# Altium PCB CableNodeRevG.PcbDoc (part 3 of 3)
Units mil, origin at the board's own origin, x right, y up, seen from the top; angles counter-clockwise.
Board outline 3393.33 x 4682.75 mil, 4 copper layers (Top Layer, Internal Plane 1, Internal Plane 2, Bottom Layer); 163 components, 86 nets, 408 pads, 182 vias.
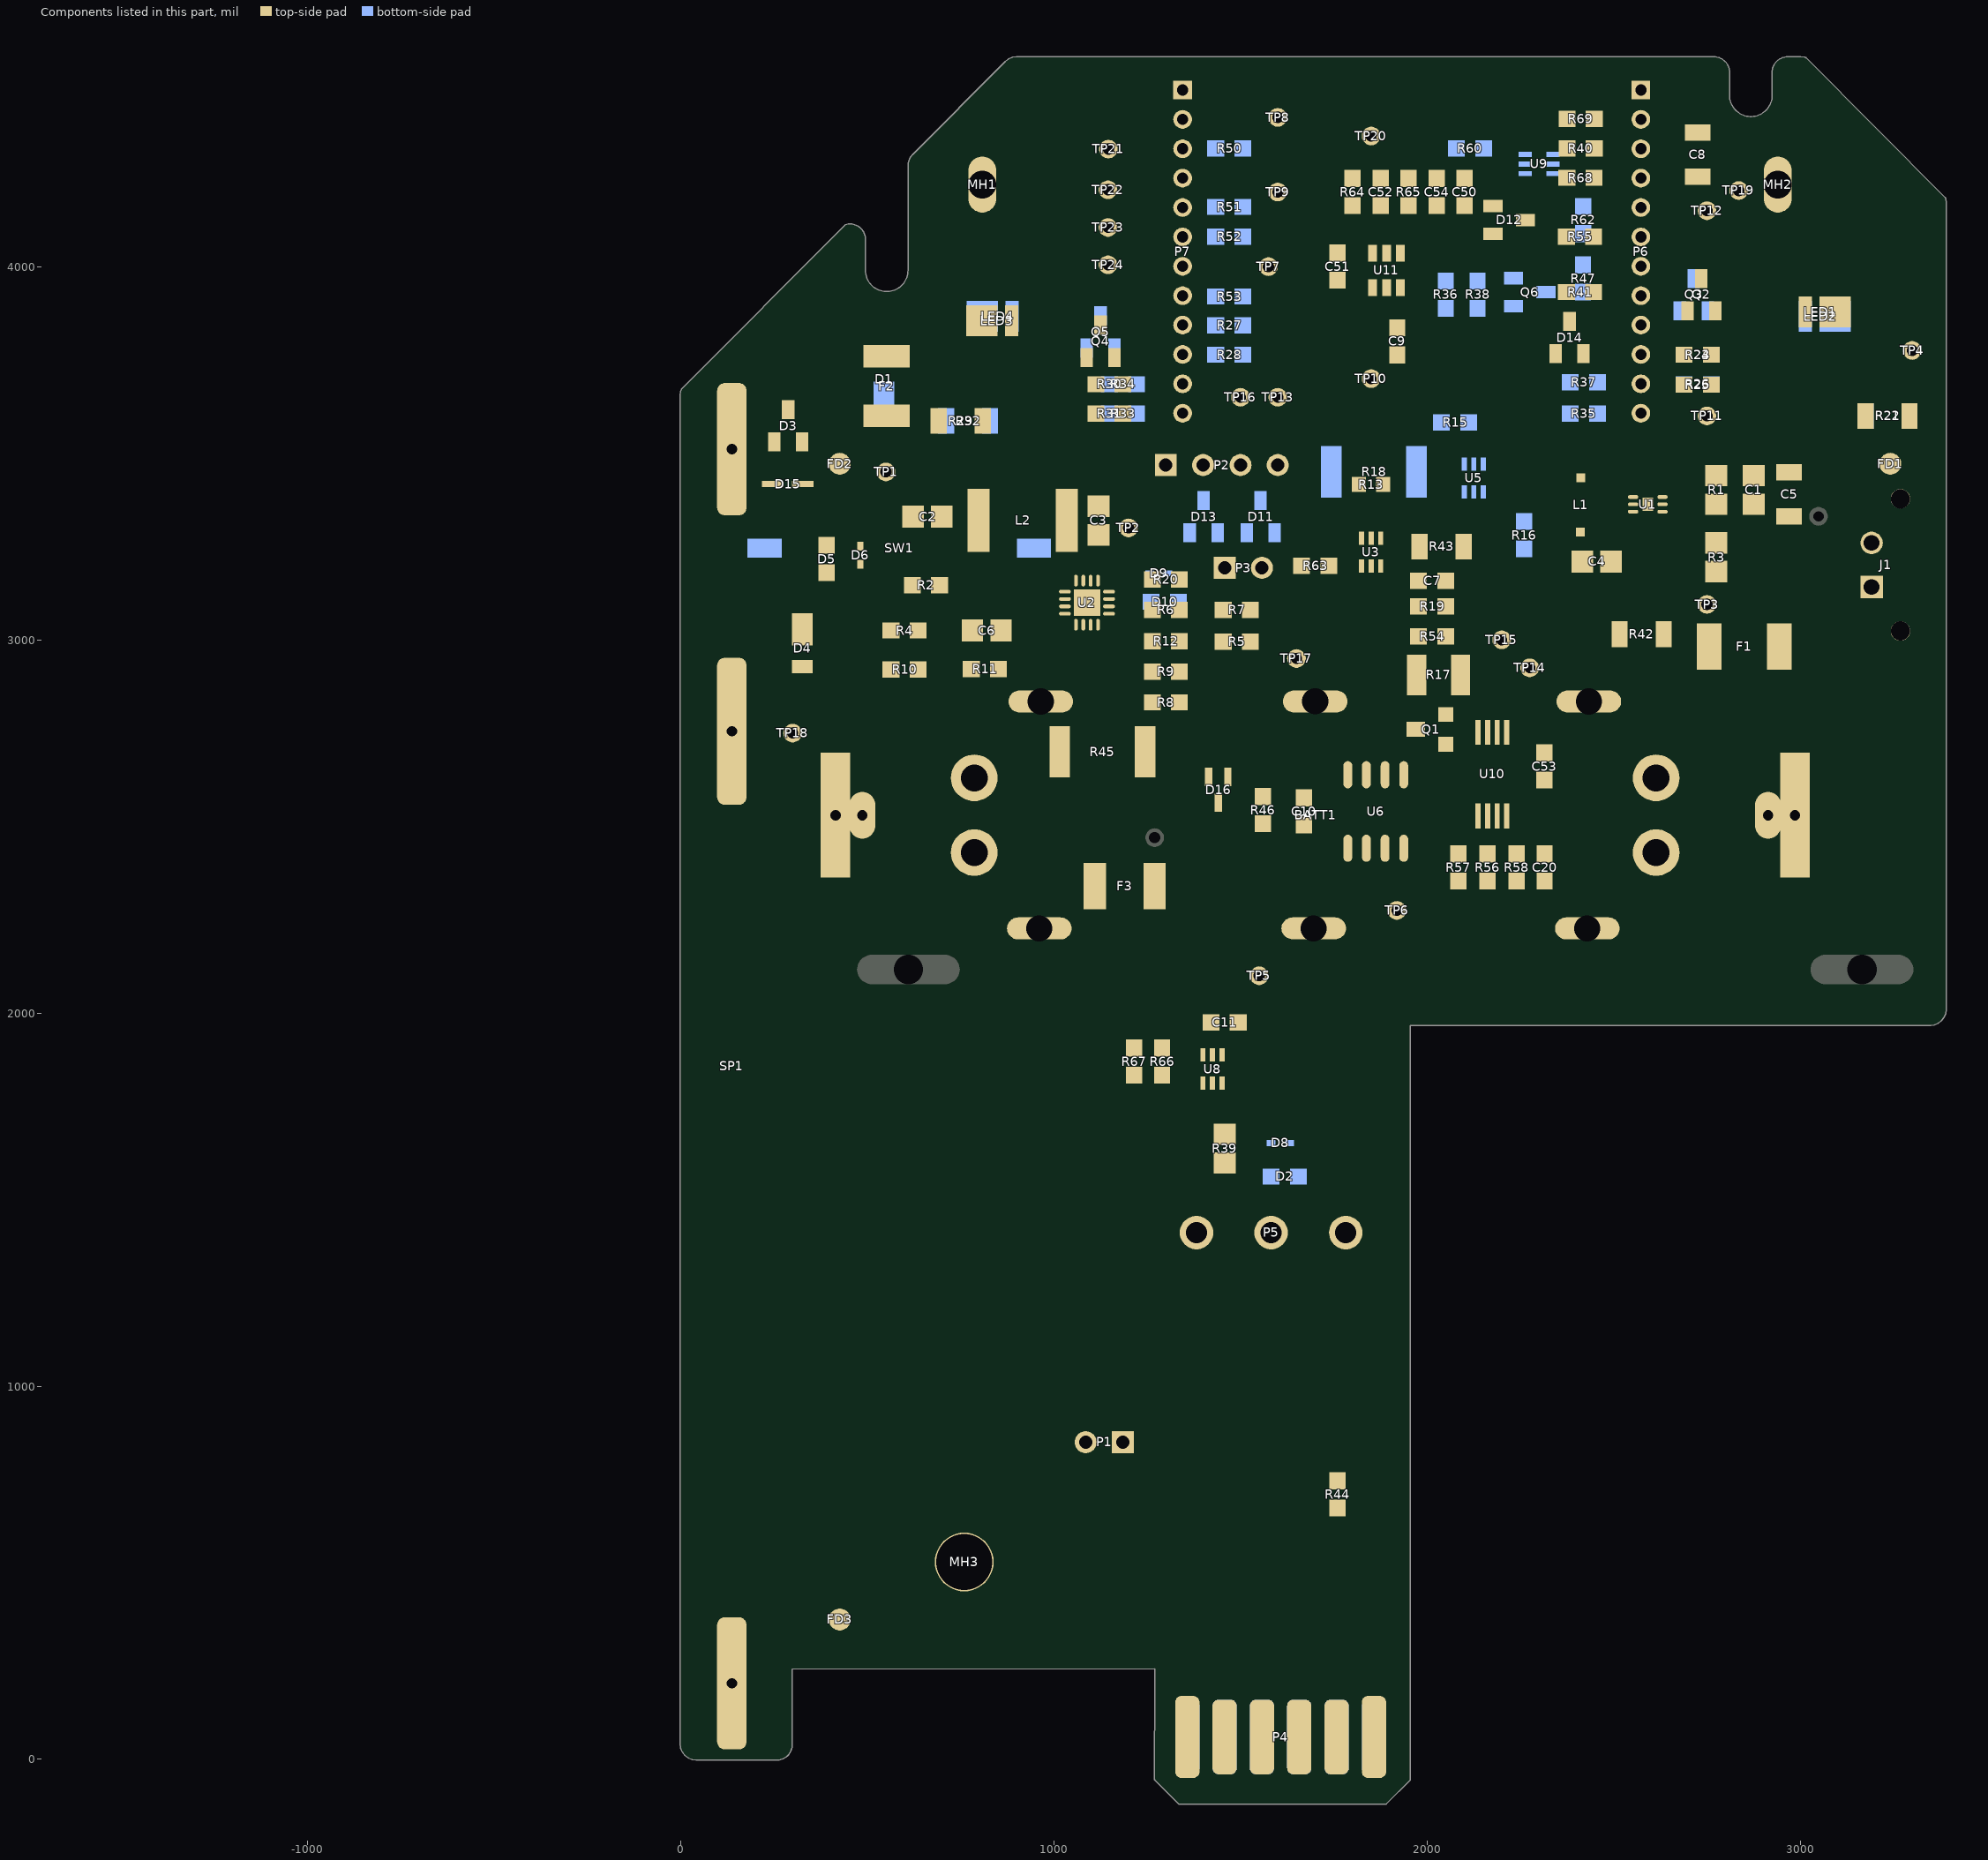
[diagram p5: the components of this part, seen from the top]

## Polygon pours and split planes (outlines as drawn)
no net on Bottom Overlay "BottomKeepOutRegion" (hatched 90Degree grid 20 track 4): 200.17,3658.88 200.17,3854.88 200.06,3854.88 463.53,4119.67 cw(c483.86,4099.45) 512.53,4099.45 512.17,3998.88 ccw(c562.17,3998.88) 562.17,3948.88 ccw(c562.17,3997.17) 596.31,3963.03 603.17,3969.88 603.17,3940.88 602.52,3940.33
no net on Bottom Overlay "BottomKeepOutRegion" (hatched 90Degree grid 20 track 4): 2825.19,4391.66 2825.19,4419.66 2830.04,4413.81 ccw(c2859.38,4443.15) 2859.38,4401.66 2865.4,4401.66 ccw(c2865.4,4449.46) 2899.19,4415.66 ccw(c2870.22,4444.63) 2911.19,4444.63 2911.19,4515.35 cw(c2938.51,4515.35) 2919.19,4534.66 cw(c2940.92,4512.93) 2940.92,4543.66 3000.19,4543.66 cw(c3000.19,4519.52) 3017.27,4536.59 3365,4188.85 cw(c3342.81,4166.66) 3374.19,4166.66 3374.19,4007.66
GND on Bottom Layer "Bottom Layer-GND" (solid, remove dead copper, pour order 8): 40,275 1911.19,275 1921.19,285 1921.19,2030 3350,2030 3350,4129.19 3349.19,4128.39 3349.19,4100 3349.19,4121.66 3349.2,4121.67 3011.19,4459.68 2998.19,4459.68 2978.07,4459.68 2975,4462.75 2975,4350 2787.27,4350 2787.27,4450 825,4450 641.66,4266.66 641.66,4261.9 641.66,3903.95 640.19,3902.48 471.89,3902.48 471.89,3996.69 476.19,4001 472.83,4004.37 437.71,4004.37 372.99,4004.37 30,3661.38 40,3651.38 40,275
GND on Top Layer "Top Layer-GND" (solid, remove dead copper, pour order 6): 30,275 1925,275 1925,1997.86 1921.19,2001.66 1922.86,2000 3350,2000 3350,4174.19 3349.19,4175 3025,4499.19 3025,4500 2975,4500 2975,4350 2787.27,4350 2787.27,4450 825,4450 820.52,4450 632.42,4261.9 636.42,4257.9 636.42,3902.48 475,3902.48 471.19,3906.29 471.19,4025 400,4025 30,3655 30,3628.33 30,275
5V on Internal Plane 2 (split plane): 518 vertices, not listed, extent 18.08,18.05 3370.86,4515.54
no net on Internal Plane 2 (split plane): 635.42,4285.78 635.43,4285.8
VBAT_POS on Internal Plane 2 (split plane): 3370.85,2692.42 3366.64,2695.4 3361.73,2698.12 3356.54,2700.27 3351.14,2701.82 3345.61,2702.76 3340,2703.08 3334.39,2702.76 3328.86,2701.82 3323.46,2700.27 3318.27,2698.12 3313.36,2695.4 3308.78,2692.15 3304.59,2688.41 3300.85,2684.22 3297.6,2679.64 3294.88,2674.73 3292.73,2669.54 3291.18,2664.14 3290.24,2658.61 3289.92,2653 3289.92,2380 3290.24,2374.39 3291.18,2368.86 3292.73,2363.46 3294.88,2358.27 3297.6,2353.36 3300.85,2348.78 3304.59,2344.59 3308.78,2340.85 3313.36,2337.6 3318.27,2334.88 3323.46,2332.73 3328.86,2331.18 3334.39,2330.24 3340,2329.92 3345.61,2330.24 3351.14,2331.18 3356.54,2332.73 3361.73,2334.88 3366.64,2337.6 3370.85,2340.58 3370.85,2026.23 3369.95,2027.69 3366.89,2031.28 3363.3,2034.35 3359.27,2036.81 3354.91,2038.62 3350.31,2039.72 3345.61,2040.09 1956.37,2040.09 1954.42,2041.8 1950.06,2044.72 1945.36,2047.03 1940.39,2048.72 1935.25,2049.74 1930.02,2050.09 1924.78,2049.74 1919.64,2048.72 1914.68,2047.03 1909.97,2044.72 1905.61,2041.8 1901.67,2038.34 1898.21,2034.4 1895.3,2030.04 1892.98,2025.34 1891.3,2020.38 1891.24,2020.09 1754.02,2020.09 1570.12,2203.98 1568.04,2205.59 1565.6,2206.59 1562.99,2206.94 1248.27,2206.94 1214.81,2240.4 1214.81,2523.38 1248.27,2556.84 1421.02,2556.84 1642.47,2335.39 1644.56,2333.78 1645.99,2333.19 1647,2332.78 1649.61,2332.43 1944.64,2332.43 1984.99,2292.08 1987.08,2290.48 1987.8,2290.18 1989.52,2289.47 1992.13,2289.13 2074.8,2289.13 2077.41,2289.47 2079.85,2290.48 2081.94,2292.08 2980.56,3190.7 3370.85,3190.7
VBAT_SWITCHED on Internal Plane 2 (split plane): 2275.49,4270.25 2277.58,4268.65 2280.01,4267.64 2282.62,4267.29 2630.5,4267.29 2643.46,4254.34 2643.46,4159.73 2613.82,4130.09 2474.33,4130.09 2471.72,4129.74 2469.29,4128.74 2467.2,4127.13 2414.13,4074.06 2412.52,4071.97 2411.52,4069.54 2411.17,4066.93 2411.17,3483.96 2411.52,3481.35 2412.52,3478.92 2414.13,3476.83 2446.61,3444.35 2446.61,3173.47 2421.02,3147.88 2039.61,3147.88 1963,3224.5 1925.09,3262.41 1925.09,3478.39 1963,3516.3 1964.6,3518.39 1965.61,3520.82 1965.95,3523.43 1965.95,3626.81 1965.61,3629.42 1965.1,3630.64 1964.6,3631.86 1963,3633.94 1939.81,3657.13 1937.72,3658.74 1935.29,3659.74 1932.68,3660.09 1801.33,3660.09 1798.72,3659.74 1796.28,3658.74 1794.19,3657.13 1768.46,3631.4 1766.86,3629.31 1765.85,3626.87 1765.5,3624.26 1765.5,3210.87 1682.56,3210.87 1610.71,3282.72 1608.62,3284.33 1606.19,3285.33 1603.58,3285.68 1374.26,3285.68 1258.12,3401.82 1258.12,3507.63 1271.89,3521.41 1382.74,3521.41 1385.35,3521.75 1387.78,3522.76 1389.87,3524.36 1412.01,3546.51 1413.62,3548.6 1413.91,3549.31 1414.62,3551.03 1414.97,3553.64 1414.97,4223.54 1437.25,4245.82 1641.73,4245.82 1644.34,4246.16 1646.78,4247.17 1648.86,4248.77 1673.47,4273.38 2137.8,4273.38 2140.41,4273.72 2142.84,4274.73 2144.93,4276.33 2169.53,4300.94 2244.8,4300.94
VBAT_FUSED on Internal Plane 2 (split plane): 1945.78,3622.63 1945.78,3527.61 1907.87,3489.7 1906.27,3487.61 1905.26,3485.17 1904.91,3482.56 1904.91,3258.23 1905.26,3255.62 1906.27,3253.19 1907.87,3251.1 1948.73,3210.23 2028.3,3130.66 2030.39,3129.06 2032.82,3128.05 2035.43,3127.71 2425.2,3127.71 2427.81,3128.05 2430.24,3129.06 2432.33,3130.66 2460.87,3159.21 2791.1,3159.21 2855.81,3094.49 2618.11,2856.78 2416.58,3058.31 2414.49,3059.92 2412.06,3060.92 2409.45,3061.27 1860.19,3061.27 1785.68,3135.78 1785.68,3620.09 1805.5,3639.91 1928.5,3639.91
GND on Internal Plane 1 (split plane): 457 vertices, not listed, extent 18.08,18.05 3370.86,4521.22
GND on Internal Plane 1 (split plane): 460.27,4093.47 463.37,4092.18 466.22,4090.43 468.77,4088.26 470.95,4085.71 472.7,4082.85 473.98,4079.76 474.76,4076.5 475,4073.51 474.96,4073.16 474.96,4072.99 474.55,4073.6 472.9,4074.71 470.95,4075.1 469.63,4075.1 468.62,4079.3 466.81,4083.66 464.35,4087.69 461.28,4091.28 458.11,4093.98
GND on Internal Plane 1 (split plane): 1881.92,-100.02 1343.28,-99.86 1341.85,-98.43 1883.51,-98.43
GND on Internal Plane 1 (split plane): 635.42,4285.78 635.43,4285.8

## Keep-outs
Top Layer:
  lines w4: 300,2957 300,2973 ; 352,2957 352,2973
Keep-Out Layer:
  lines w4: 30,2545 77.01,2545 ; 30,2963 75,2963 ; 30,3302 ccw(c30.34,3302) 30.34,3301.66 86,3301.66 ; 30,3586.64 30,36.47 30,26.66 ccw(c40,26.66) 40,16.66 70,16.66 ; 40,3606.66 61.67,3628.33 ; 158,3724.65 335.83,3902.48 437.71,4004.37 cw(c451.89,3990.26) 471.89,3990.26 ccw(c551.89,3990.26) 631.89,3990.26 ; 632.42,3990.26 632.42,4261.9 cw(c658.97,4261.9) 640.19,4280.67 891.19,4531.67 893.86,4534.34 cw(c921.19,4507) 921.19,4545.66 ; 926.19,4545.66 921.19,4545.66 ; 1291.19,220 1291.19,213.81 ccw(c1305,213.81) 1305,200 1325,200 ; 1406,185.86 ccw(c1406.19,185.86) 1406.19,185.66 ; 1501.19,4560.66 1501.19,4555.66 cw(c1491.19,4555.66) 1491.19,4545.66 921.19,4545.66 ; 1511,186.86 ccw(c1511.19,186.86) 1511.19,186.66 ; 1891.19,200.22 1912.19,200.22 ccw(c1912.19,209.22) 1921.19,209.22 ; 1912.19,-106.34 1912.19,162.66 1912.19,186.66 ccw(c1912.19,195.66) 1921.19,195.66 1921.19,2001.66 cw(c1943.19,2001.66) 1943.19,2023.66 1965.19,2023.66 3346.19,2023.66 ccw(c3346.19,2036.66) 3359.19,2036.66 3359.19,2037.66 3359.19,4082.67 3359.19,4097.52 ccw(c3325.05,4097.52) 3349.19,4121.66 ; 1921.19,204.22 1921.19,205 ; 2511.19,4559.66 2511.19,4541.66 ccw(c2524.18,4541.66) 2524.18,4528.67 2526.19,4528.67 2777.19,4528.67 cw(c2777.19,4518.6) 2787.27,4518.6 2787.27,4459.68 ccw(c2867.27,4459.68) 2947.27,4459.68 2947.27,4462.75 cw(c2957.19,4462.75) 2957.19,4472.67 2998.19,4472.67 3004.19,4466.67 ; 3003.19,4467.67 3349.2,4121.67
  lines w5: 200,16.66 267.13,16.66 ccw(c267.13,30.72) 281.19,30.72 281.19,306.66 cw(c291.19,306.66) 291.19,316.66 1276.19,316.66 cw(c1276.19,301.66) 1291.19,301.66 1291.19,196.66 ccw(c1301.19,196.66) 1301.19,186.66 1308.19,186.66 1308.19,172.66 1308.19,94.91 1308.19,-30.59 1308.19,-107.34 ; 1431.19,185.66 1406.19,185.66 1406.19,-78.34 1801.19,-78.34 1806.19,-78.34 1806.19,198.16 ; 1481.19,186.66 1531.19,186.66 ; 1511.19,-78.34 1511.19,186.66 ; 1583.19,186.66 1630.19,186.66 ; 1606.19,-78.34 1606.19,186.66 ; 1683.19,186.66 1736.95,186.66 ; 1706.19,-78.34 1706.19,186.66
  lines w10: 1397.19,-95.34 1816.19,-95.34 ; 1911.19,-107.34 1912.19,-106.34
  lines w15: 1308.19,-107.34 1911.19,-107.34
  lines w100: 40,460 40,730 ; 50,2200 50,2480 ; 1921.19,320 1921.19,500 ; 3340,2380 3340,2653 ; 3340,3890 3340,4163
  text "Keepout Layer" at 3955,5425 h150

## Other copper
Top Layer:
  region net NetL1_B: 2543.28,3377.92 2495.89,3383.01 2495.91,3450.18 2497.46,3449.54 2564.38,3386.32 2565.38,3384.82 2565.98,3383.01
  region net GND: 651.67,640 859.92,640 860,330 651.57,329.72
  region net GND: 935.51,3384.25 934.99,3450 990,3450 990,3185 1011.01,3163.99 1011.46,3163.99 1011.46,3163.1 995,3146.64 982.95,3158.68 982.95,3170 934.99,3217.96 934.99,3383.72
  region net 5V: 2742.08,3468.21 2752,3468.21 2752,3411 2751.69,3411.32 2742.08,3411.32
  region net GND: 2543.08,3296.44 2667.64,3296.44 2667.64,3288.51 2700,3288.51 2700,3100 2613.69,3100 2340,3100.56 2340.02,3162.09 2613.69,3162.09 2613.69,3255.51 2543.08,3255.51
  region net GND: 2531.87,3567.46 2710,3567 2710,3482 2702.45,3481.94 2640.94,3481.94 2640.94,3434.31 2531.87,3434.31 2531.87,3471.66 2425,3471.66 2425,3567
  region net VBAT_SWITCHED: 2543.08,3348.32 2496.33,3343.43 2496.14,3343.62 2496.14,3276.31 2499.17,3276.31 2564.58,3340.12
  region net VIN_SOLAR: 1017,3105 672,3105 672.67,3450 918,3449 917.95,3405 917.95,3220 967.95,3165 967.95,3135 982.95,3120 992.67,3112.65 1017.42,3113.4
  region net NetL2_B: 1064.08,3245.01 1064.08,3165.62 1059.15,3158.57 1059.15,3145 1055,3145 1055,3178 1004.98,3190.32 1005.08,3245.01
  region net VSTOR: 1078.83,3158.57 1073.98,3169.42 1073.98,3238.12 1090.18,3252.71 1149.18,3252.71 1083.48,3187.01 1083.68,3169.42
  region net NetF3_2: 1176.48,3230 1140,3230 1094,3184 1094,3169 1103,3169 1103,3179 1109.48,3185.01 1130,3190 1176.48,3190
  region net 5V: 2618.78,3386.51 2641.18,3378.12 2742.08,3411.32 2743.2,3439.05 2742.08,3468.21
  region net GND: 1135.38,3180 1215,3180 1215,3145 1135,3145
  region net GND: 1152,3150 1152,3131.33 1162.4,3131.33 1162.4,3150
  region net GND: 1120,3174 1139.83,3174 1140,3162 1118,3162 1118.2,3158.57 1118.2,3172.96 1119,3173
  region net GND: 1059.15,3040.46 1064.08,3033.62 1064.08,2985 1015,2940 915,2940 915,3005 954.98,3045 1034.59,3045 1035,3018.62 1053,3018.62 1052.96,3046.14 1053,3065 1064,3065 1064.08,3047
  text "Top Copper Layer" at 3960,6109 h150
Bottom Layer:
  region net GND: 650,330 860,330 860,640 650,640
  text "Bottom Copper Layer" at 5010,5720 h150
Internal Plane 1 (plane layer: these items are gaps in the copper):
  region: 1276.19,195.66 1944.88,195.66 1944.88,-53.51 1942.55,-51.18 1279.53,-51.18
  lines w10: 440,4070 470.95,4070 ; 2793.31,4540.52 2795,4542.21 ; 3021.84,4535 3025,4538.16
  lines w40: 875,4540.52 2793.31,4540.52 ; 2938.84,4535 3021.84,4535
  lines w60: 19.22,3649.22 440,4070 ; 294.94,274.75 1275.77,274.75 ; 1308.19,-68.34 1920,-68.34 ; 1947.38,2005.31 3356.4,2007.13
  lines w80: 1930.02,1852.31 1930.02,2001.66
  lines w100: 40,460 40,730 ; 50,2200 50,2475 ; 1451.5,4520.54 2451.5,4520.54 ; 1920,320 1920,500 ; 2985.69,4504.4 3340,4150.09 3340,3890 ; 3340,2380 3340,2653
  text "Internal Plane 1 (GND)" at 3960,5980 h150
Internal Plane 2 (plane layer: these items are gaps in the copper):
  region: 1271.65,192.91 1952.76,192.91 1956.69,188.98 1952.76,185.04 1952.76,-66.93 1275.59,-66.93 1271.65,-70.87
  lines w10: 459.02,4085.71 470.95,4085.71 ; 2793.91,4535.64 2799.55,4530 ; 2970,4506.61 2970,4513.81 ; 3022.14,4530.58 3025,4533.44
  lines w20: 1775.59,3200.79 1678.38,3200.79 1603.58,3275.59 1370.08,3275.59 1248.03,3397.64 1248.03,3511.81 1267.72,3531.5 1382.74,3531.5 1404.88,3553.64 1404.88,4227.72 1433.07,4255.91 1641.73,4255.91 1669.29,4283.46 2137.8,4283.46 2165.35,4311.02 2248.98,4311.02 2282.62,4277.38 2634.68,4277.38 2653.54,4258.52 2653.54,4155.55 2617.99,4120 2474.33,4120 2421.26,4066.93 2421.26,3483.96 2456.69,3448.53 2456.69,3169.29 ; 1930.02,2010 1749.84,2010 1562.99,2196.85 1244.09,2196.85 1204.72,2236.22 1204.72,2527.56 1244.09,2566.93 1425.2,2566.93 1649.61,2342.52 1948.82,2342.52 1992.13,2299.21 2074.8,2299.21 2976.38,3200.79 3381.89,3200.79 ; 2618.11,2842.52 2409.45,3051.18 1856.01,3051.18 1775.59,3131.6 1775.59,3624.26 1801.33,3650 1932.68,3650 1955.86,3626.81 1955.86,3523.43 1915,3482.56 1915,3258.23 1955.86,3217.36 2035.43,3137.8 2425.2,3137.8 2456.69,3169.29 ; 2870.08,3094.49 2795.28,3169.29 2456.69,3169.29
  lines w40: 860,4535.64 2793.91,4535.64 ; 2946.98,4530.58 3022.14,4530.58
  lines w60: 18.34,3645.04 459.02,4085.71 ; 287.66,280 1281.12,280 ; 1310,-80 1912.19,-80 ; 1930.02,2010 3345.61,2010
  lines w80: 1930.02,1860 1930.02,2010
  lines w100: 40,460 40,730 ; 50,2200 50,2480 ; 1450,4524.14 2450,4524.14 ; 1920,320 1920,500 ; 2970,4506.61 3294.88,4181.73 ; 3340,2380 3340,2653 ; 3340,3890 3340,4160
  text "Internal Plane 2 (PWR)" at 3960,5855 h150

## Silkscreen, mask and mechanical layers (free items; w line width, h text height)
Top Overlay:
  region: 1395,539 1907.1,539.17 1907.1,340.83 1296.9,339.17 1125,339 1125,539 1146,539 1296.9,539.17 1346,539
  lines w4: 188.59,691.98 240.44,2176.86
  lines w5: 86,176.86 27.87,176.86 24.81,1.66 124.6,1.66 ; 164.48,1.66 302.28,1.66 347.68,1301.78 366.55,1842.21 969.14,1842.21 963.3,2176.86 240.44,2176.86 ; 198.19,3654.79 198.19,3780.31 472.36,4055.84 ; 471.73,3990.15 ccw(c551.73,3990.15) 562.18,3910.84 ; 472.09,3990.15 472.35,4060.82 ccw(c443.68,4060.82) 423.35,4081.04 198.19,3854.76 198.19,3655.79 562.19,3910.66 ; 2826.3,4393.66 3375.3,4009.66 3375.3,4168.66 ccw(c3343.92,4168.66) 3366.11,4190.85 3018.38,4538.59 ccw(c3001.3,4521.52) 3001.3,4545.66 ; 2847.11,4387.58 ccw(c2871.84,4463.66) 2951.84,4463.66 ; 2951.95,4463.66 2951.95,4521.25 cw(c2976.95,4521.25) 2976.95,4546.25 ; 221.21,1960.32 970.96,1960.32 970.96,2176.85 221.21,2176.85 221.21,1960.32
  lines w7: 2292.64,4180 2292.64,4170.36 2310,4153 2310,4090 2320,4080
  lines w10: 2320,4000.98 2320,4024.21 2330,4034.21
  text "Top Silkscreen Layer" at 3960,6249.43 h150
  text "V" at 1946,4500 h40
  text "+4.8V" at 103.56,3289.06 h100 r270
  text "GND" at 1610,3282 h40 r90
  text "PIN" at 1349,3281 h40 r90
  text "TXD" at 1545,3280.28 h40 r90
  text "RXD" at 1418,3280 h40 r90
  text "+3.6V" at 103.56,2529.22 h100 r270
  text "+ + +" at 3260,2430 h100 r90
  text "- -" at 330,2385 h100 r90
  text "OPIsystems" at 353.68,925 h180
  text "Cable Node" at 540,810 h122
  text "REV G" at 350,675 h122
  text "GND" at 99.62,659.14 h100 r270
  text "GND" at 450,525 h60
Bottom Overlay:
  lines w8: 1077.52,3475 1099.52,3453 1099.52,3375.48 1150,3325
  lines w10: 481.69,2175.67 856.69,2175.67 ; 1530,3682 1558,3710 1590,3710
  text "Bottom Silkscreen Layer" at 5160,5580 h150
  text "+4.8V" at 320,3675 h100 r90
  text "+ + +" at 3260,2930 h100 r90
  text "+3.6V" at 174.42,2529.22 h100 r90
  text "LiFePO4 Battery" at 2212.99,2460 h175
  text "- -" at 310,2365 h100 r90
  text "18650" at 1531.19,2200.03 h100
  text "26650" at 1255.1,2071.4 h100
  text "5VDC IN" at 1446.19,976.66 h100 r90
  text "WHITE" at 1651.19,976.66 h100 r90
  text "BLACK" at 1856.19,976.66 h100 r90
  text "Jumper ON : STOP" at 980,870 h110
  text "Jumper OFF : RUN" at 980,770 h110
  text "GND" at 610.19,550 h60
  text "GND" at 99.62,430.8 h100 r270
Top Solder:
  region: 650,330 860,330 860,640 650,640
Bottom Solder:
  region: 650,330 860,330 860,640 650,640
Mechanical 1:
  lines w4: 0.26,3655.8 1.53,3665.49 3.44,3670.11 442.29,4110.85 ; 0.35,3582.51 492.84,4077.12 ; 0.36,3655.8 0,42.04 ccw(c42.25,42.04) 12.37,12.17 12.39,12.15 ccw(c41.7,41.46) 41.7,0.01 257.44,0 ccw(c257.47,39.37) 296.84,39.37 296.84,298.57 1272.04,300.44 1271.98,209.4 1272.1,207.55 1271.81,-53.92 1953.37,-54.12 ; 30,3570.97 30,3582.51 cw(c64.14,3582.51) 40,3606.66 ; 296.84,243.46 1272,245.33 ; 442.29,4110.85 cw(c453.67,4073.16) 493.04,4073.16 493.04,3990.26 ccw(c552.1,3990.26) 611.15,3990.26 611.15,4270.78 cw(c650.52,4270.78) 622.63,4298.57 871.31,4548.43 879.57,4554.96 889.76,4559.18 900.15,4560.4 2769.15,4560.26 cw(c2769.15,4520.89) 2808.52,4520.89 2808.52,4459.27 ccw(c2867.57,4459.27) 2926.63,4459.27 2926.63,4520.89 cw(c2966,4520.89) 2966,4560.26 3000.99,4560.26 ; 1271.77,-53.92 1335.79,-117.94 1889.4,-118.11 1953.38,-54.12 ; 1953.06,1968.66 3349.8,1968.66 3357.99,1969.74 3368.18,1973.96 3376.93,1980.67 3383.64,1989.42 3387.86,1999.61 3388.94,2007.8 ; 2939.04,4549.58 3388.94,4097.08 ; 3000.99,4560.62 3012.31,4559.13 ; 3014.74,4558.01 3387,4183.59 ; 3387.8,4181.99 3389.3,4170.62 ; 3388.93,2007.8 3388.94,4170.57 ; 3388.99,2023.78 1953.05,2023.78 1953.37,-54.13
  text "Mechanical Layer: Board Outline" at 2078.74,162.66 h150
Mechanical 2:
  lines w4: 1270.46,-84.5 1270.46,-77.08 1270.46,-84.5
  lines w5: 10.3,3680.42 ccw(c45.44,3649.66) -1.16,3652.65 -1.16,39.06 ccw(c38.21,39.06) 38.21,-0.31 491.19,-0.31 ccw(c491.19,34.69) 526.19,34.69 526.19,203.39 cw(c566.19,203.39) 566.19,243.39 1139.27,243.39 1231.09,243.39 cw(c1231.09,204.02) 1270.46,204.02 1270.46,-84.5 1304.34,-118.39 1912.64,-118.39 1946.83,-84.19 1946.83,1928.82 cw(c1986.2,1928.82) 1986.2,1968.19 ; 11.39,3681.51 441.19,4113.46 cw(c469.1,4085.69) 508.47,4085.69 508.47,3985.3 ccw(c548.06,3985.3) 587.66,3985.3 587.66,4244.41 cw(c627.03,4244.41) 599.12,4272.18 868.75,4543.16 cw(c896.66,4515.39) 896.66,4554.76 2482.27,4554.76 2786.93,4554.76 cw(c2786.93,4515.39) 2826.3,4515.39 2826.3,4451.94 ccw(c2863.54,4451.94) 2900.77,4451.94 2900.77,4515.39 cw(c2940.14,4515.39) 2940.14,4554.76 2996.95,4554.76 cw(c2996.95,4515.39) 3024.86,4543.16 3370.93,4195.36 cw(c3343.02,4167.59) 3382.39,4167.59 3382.39,2007.56 ; 507.63,2078.54 507.63,2157.05 ; 547,2078.43 547,2157.17 ; 3039.13,2090.43 3039.13,2145.17 ; 3078.5,2078.43 3078.5,2157.17 ; 3343.02,1968.19 ccw(c3343.02,2007.56) 3382.39,2007.56 ; 3382.39,2058.74 3382.39,2007.56 ; 3700,482.64 5056.82,482.64 ; 4374.49,7458.48 4014.49,7458.48 ; 4374.49,7738.48 4014.49,7738.48 ; 4704.49,8168.48 3944.49,8168.48 3944.49,7845.96 3949.1,7845.05 3953.01,7842.44 3955.62,7838.53 3956.53,7833.92 3955.62,7829.31 3953.01,7825.41 3949.1,7822.79 3944.49,7821.88 3944.49,7805.81 3948.43,7806.59 3953.04,7805.68 3956.94,7803.07 3959.55,7799.16 3960.47,7794.55 3959.55,7789.94 3956.94,7786.04 3953.04,7783.42 3948.43,7782.51 3944.49,7783.29 3944.49,7764.12 3947.76,7766.31 3952.37,7767.22 3956.97,7766.31 3960.88,7763.7 3963.49,7759.79 3964.41,7755.18 3963.49,7750.57 3960.88,7746.67 3956.97,7744.05 3952.37,7743.14 3947.76,7744.05 3944.49,7746.24 3944.49,7727.07 3948.43,7727.85 3953.04,7726.94 3956.94,7724.33 3959.55,7720.42 3960.47,7715.81 3959.55,7711.2 3956.94,7707.3 3953.04,7704.68 3948.43,7703.77 3944.49,7704.55 3944.49,7688.48 3949.1,7687.57 3953.01,7684.96 3955.62,7681.05 3956.53,7676.44 3955.62,7671.83 3953.01,7667.92 3949.1,7665.31 3944.49,7664.4 3944.49,7288.48 4714.49,7288.48 ; 4014.49,7458.48 4204.49,7428.48 4204.49,7489.3 4014.49,7458.48 ; 4014.49,7738.48 4204.49,7769.3 4204.49,7708.48 4014.49,7738.48 ; 510.65,2078.43 cw(c510.65,2117.8) 510.65,2157.17 707.5,2157.17 cw(c707.5,2117.8) 707.5,2078.43 510.65,2078.43 ; 3067.43,2078.43 cw(c3067.43,2117.8) 3067.43,2157.17 3264.28,2157.17 cw(c3264.28,2117.8) 3264.28,2078.43 3067.43,2078.43
  lines w10: -790,3030 -113.05,2353.05 ; -790,4930 -790,1330 -140,680 ; 2031,420 3470,420 3680,630 3680,2520 ; 3480,2520 3680,2520 ; 3490,4000 3679,4000 ; 3680,3999 3680,2520
  text "IMPORTANT:" at 4000,8850 h150
  text "Please make sure that perferated edges of Mouse Bytes" at 4005,8665 h150
  text "are within the edge of the PCB - aka no jagged edges of" at 4005,8505 h150
  text "the byte can exist outside of the PCB edge." at 4010.69,8335 h150
  text "When panelizing this design please use Mouse Bites." at 4115,8035 h100
  text "This will place the ragged edge of the holes behind the edge of the PCB." at 4114.49,7914.4 h100
  text "Mouse Bite" at 4404.49,7711.2 h100
  text "Mechanical 2 Layer: Mouse Bites Panelization Details" at 3944.49,7108.27 h150
  text "Mechanical 2 Layer - Mouse Bytes Information Layer" at 3950,5285 h150
  text "Mouse Byte Plane Relief" at -1150,5020 h150
  text "Mouse Byte Plane Relief" at 3770,3926.12 h150
Mechanical 3:
  lines w5: 19.26,18.6 cw(c43.56,42.9) 9.19,42.9 9.19,3652.12 cw(c40.14,3652.12) 18.26,3674 448.56,4106.45 cw(c468.89,4086.23) 497.56,4086.23 ; 20.19,17.66 ccw(c37.09,34.56) 37.09,10.66 486.19,10.66 ; 481.19,10.66 ccw(c481.19,46.88) 506.8,21.27 ; 497.19,4092.66 497.19,3985.66 ccw(c547.19,3985.66) 597.19,3985.66 597.19,4246.66 cw(c623.75,4246.66) 604.97,4265.44 877.42,4537.88 cw(c896.19,4519.11) 896.19,4545.66 1513.78,4545.66 ; 508.54,23 ccw(c494.88,36.66) 514.19,36.66 514.19,201.66 cw(c569.72,201.66) 530.46,240.93 ; 531.19,241.66 cw(c562.58,210.28) 562.58,254.66 1232.19,254.66 1233.19,254.66 cw(c1233.19,206.66) 1281.19,206.66 ccw(c1301.19,206.66) 1301.19,186.66 1881.19,186.66 1923.19,186.66 ccw(c1923.19,201.66) 1938.19,201.66 1938.19,1932.48 cw(c1979.68,1932.48) 1950.35,1961.81 cw(c1986.19,1925.96) 1986.19,1976.66 3346.19,1976.66 ccw(c3346.19,2000.8) 3363.27,1983.73 ; 1516.19,4546.66 cw(c1525.85,4537) 1525.85,4550.66 2486.54,4550.66 cw(c2486.54,4537) 2496.19,4546.66 ccw(c2508.27,4558.73) 2508.27,4541.66 2789.71,4541.66 cw(c2789.71,4521.18) 2804.19,4535.66 2809.54,4530.32 cw(c2795.88,4516.66) 2815.19,4516.66 2815.19,4451.66 ccw(c2865.89,4451.66) 2830.04,4415.81 ccw(c2859.38,4445.15) 2859.38,4403.66 2865.4,4403.66 ccw(c2865.4,4451.46) 2899.19,4417.66 ccw(c2870.22,4446.63) 2911.19,4446.63 2911.19,4517.25 ; 2911.19,4517.35 cw(c2938.51,4517.35) 2919.19,4536.66 cw(c2940.92,4514.93) 2940.92,4545.66 3000.19,4545.66 cw(c3000.19,4521.52) 3017.27,4538.59 3365,4190.85 cw(c3342.81,4168.66) 3374.19,4168.66 ; 3366.19,1986.66 ccw(c3346.88,2005.98) 3374.19,2005.98 ; 3374.19,2006.66 3374.19,4168.66 ; 3374.19,4009.66 3374.19,4168.66
  lines w10: 9.19,3670 2189.19,5850 2190,5850 ; 1720,5860 3380,4200 ; 1930,4920 1959.19,4890.81 ; 1959.19,5620 1959.19,4890.81 ; 1960,4890 1959.19,4890.81 ; 1990,4920 1960.81,4890.81 1959.19,4890.81
  text "Center of Plastic Cone" at 1990,5740 h60 r90
  text "Plastic Cone Edge" at 2160,5490 h60 r315
  text "Mechanical 3 Layer: Plastic Cone and Radio Center Lineup" at 3955,4845 h150
  text "Plastic Cone Edge" at 1010,4760 h60 r45
Mechanical 4:
  lines w9.84: 189,4163.5 189,3976 ; 189,4678 189,3976 ; 3451.5,4495 3264,4495 ; 3764,4495 3264,4495 ; 5227.88,656.48 5930.52,656.48 ; 5227.88,1041.52 5790.38,1041.52 ; 5347.49,2207.04 cw(c5852.88,1041.52) 5852.88,2311.9 ; 5352.88,468.98 5352.88,656.48 ; 5352.88,1229.02 5352.88,1041.52 ; 5352.88,1541.52 5352.88,1041.52 ; 5375.63,2352.75 5971.65,715.21 ; 5665.38,156.48 5852.88,156.48 ; 5852.88,31.48 5852.88,979.02 ; 5852.88,1104.02 5852.88,2436.9 ; 6242.65,31.48 6242.65,979.02 ; 6430.15,156.48 6242.65,156.48 ; 6742.65,156.48 6242.65,156.48 ; 189,3976 220.25,4163.5 157.75,4163.5 189,3976 ; 3264,4495 3451.5,4463.75 3451.5,4526.25 3264,4495 ; 5352.88,656.48 5352.88,156.48 5852.88,156.48 ; 5352.88,656.48 5384.13,468.98 5321.63,468.98 5352.88,656.48 ; 5352.88,1041.52 5321.63,1229.02 5384.13,1229.02 5352.88,1041.52 ; 5852.88,156.48 5665.38,187.73 5665.38,125.23 5852.88,156.48 ; 5852.88,2311.9 5668.2,2266.91 5663.59,2329.24 5852.88,2311.9 ; 6242.65,156.48 6430.15,187.73 6430.15,125.23 6242.65,156.48 ; 5418.39,2235.29 5590.33,2316.32 5607.32,2256.18 5418.39,2235.29 ; 5852.88,1041.52 5993.02,656.48 6102.5,656.48 6242.65,1041.52 6242.65,3018.69 5852.88,3018.69 5852.88,1041.52
  lines w10: 300,-220 300,-60 ; 451.19,-178.34 411.19,-138.34 ; 451.19,-98.34 411.19,-138.34 ; 1183.4,-176.6 1221.66,-138.34 1222,-138.34 ; 1184.4,-100.74 1222,-138.34 ; 1250,-320 1250,-40 ; 1311.19,-278.34 1271.19,-238.34 ; 1311.19,-198.34 1271.19,-238.34 ; 1881.19,-278.34 1921.19,-238.34 ; 1881.19,-198.34 1921.19,-238.34 ; 1955.86,-320 1955.86,-160 ; 2000.83,-239.17 2040,-278.34 ; 2001.66,-240 3340,-240 ; 2001.66,-236.68 2040,-198.34 ; 2009.53,1860 2009.53,1910 ; 2059.53,1390 2059.53,1860 2009.53,1910 ; 2059.53,1910 2009.53,1910 ; 3300,-280 3340,-240 ; 3300,-200 3340,-240 ; 3380,-320 3380,-160 ; 411.19,-138.34 1222,-138.34 ; 1271.19,-238.34 1921.19,-238.34
  lines w20: 4200,600 4300,500 ; 4300,3210 4300,500 ; 4400,600 4300,500
  text "PCB edge" at 4404.49,7428.48 h100
  text "Mechanical 4 Layer: Mouse Byte and Chamfer Detail Layer" at 3955,5150 h150
  text "CHAMFER THIS EDGE" at -600,4730 h60
  text "CHAMFER THIS EDGE" at 3835,4473 h60
  text "CHAMFER DETAIL - SCALE: 6.0" at 4865,3310 h80
  text "20 degrees" at 5024,2440.36 h80
  text "into plastic enclosure." at 4450,1300 h150 r90
  text "Please route 0.040\" into the" at 2051.42,1270 h150
  text "Direction of PCB Insertion" at 4250,1200 h150 r90
  text "PCB to remove as much of the" at 2051.42,1160 h150
  text "corner radius as possible in the" at 2051.42,1060 h150
  text "Y - axis (Vertical)." at 2049,948 h150
  text "1,63 [.064]" at 4953,839.36 h80
  text "Fit into the plastic enclosure" at 2049,790 h150
  text "requires as close to a 90 deg." at 2049,680 h150
  text "clearance as possible." at 2049,560 h150
  text "1,65 [.065]" at 5702,-133.64 h80
  text "Chamfer these edge areas" at 998,-530 h150
  text "Chamfer these edge areas" at 3211.52,-5075 h150
Mechanical 5:
  circle w9.84: c1786.14,1414.72 r28.5
  circle w9.84: c1386.14,1414.72 r28.5
  circle w9.84: c1586.14,1414.72 r28.5
  lines w4: 127.04,73.15 ccw(c141.04,73.15) 155.04,73.15
  lines w9.84: 127.04,73.15 127.04,340.43 cw(c141.04,340.43) 155.04,340.43 155.04,73.15 ; 504.13,2525 504.13,3003.35 cw(c543.5,3003.35) 543.5,3042.72 ; 543.5,2525 543.5,3042.72 ; 3034.65,3042.72 cw(c3034.65,3003.35) 3074.02,3003.35 ; 3035.63,2525 3035.63,3042.72 543.5,3042.72 ; 488.64,2041.03 cw(c488.64,2080.4) 449.27,2080.4 449.27,2401.27 449.27,2722.14 cw(c488.64,2722.14) 488.64,2761.51 ; 488.64,2041.03 488.64,2401.27 488.64,2761.51 ; 488.64,2041.03 2980.77,2041.03 ; 488.64,2761.51 2980.77,2761.51 ; 2980.77,2041.03 ccw(c2980.77,2080.4) 3020.14,2080.4 3020.14,2401.27 3020.14,2722.14 ccw(c2980.77,2722.14) 2980.77,2761.51 ; 2980.77,2041.03 2980.77,2401.27 2980.77,2761.51 ; 127.04,2624.33 ccw(c141.04,2624.33) 155.04,2624.33 155.04,2891.61 ccw(c141.04,2891.61) 127.04,2891.61 127.04,2624.33 ; 127.04,3380.24 ccw(c141.04,3380.24) 155.04,3380.24 155.04,3647.51 ccw(c141.04,3647.51) 127.04,3647.51 127.04,3380.24
  lines w10: 501.18,2525 3072.05,2525
Mechanical 6:
  lines w5: 153.44,11.5 132.68,11.5 129.79,-153.86 305.45,-153.86 ; 221.21,1980 492.13,1980 486.63,1822.52 373.37,1822.52 ; 1935.01,712 1935.01,1959.97 ; 149.98,-0.31 149.98,3692.6 161.79,3692.6 161.79,-0.31 149.98,-0.31
  lines w9.84: 153.79,1.84 153.79,3478.22 165.6,3478.22 165.6,1.84 153.79,1.84
Mechanical 11:
  drawing of 714 lines, arcs and shapes, not listed
  text "Cable Node Vertical - Rev. G" at 9613.09,9104.74 h50
  text "DESIGN INFORMATION" at 7408.09,9099.74 h60
  text "BOARD NAME:" at 8888.09,9099.74 h60
  text "BOARD TECHNOLOGY" at 7408.09,8999.74 h60
  text "BOARD SIZE (REFER ALSO PROFILING INFORMATION)" at 9308.09,8999.74 h50
  text "xx.xx" at 9612.03,8910.21 h60
  text "28.000" at 8030.1,8906.75 h60
  text "yy.yy" at 10517.54,8906.28 h60
  text "0.008" at 8580.1,8901.75 h60
  text "0.008" at 7519.35,8899.74 h60
  text "(Unit)" at 11150.22,8897.46 h60
  text "X" at 10239.94,8879.74 h70
  text "(MIN. TRACK/   PADS  /CLEARANCE IN 0.001'')" at 7348.09,8799.74 h50
  text "MINIMUM ANNULAR RING 0.05MM (0.002'') EXTERNAL PER IPC-2221 CLASS 3 LEVEL C AND IS THE" at 7408.09,8699.74 h50
  text "MANUFACTURING REGISTRATION ALLOWANCE" at 7408.09,8609.74 h50
  text "LAND SIZE CALCULATION MINIMUM - NOMINAL HOLE SIZE + 0.508MM (0.020'')" at 7408.09,8499.74 h50
  text "AS INSTRUCTED" at 10795.1,8326.75 h60
  text "X" at 8890.1,8321.75 h60
  text "CIRCUIT TYPE:" at 7408.09,8319.74 h60
  text "SS" at 8308.09,8319.74 h50
  text "DS" at 9008.09,8319.74 h50
  text "X" at 9583.09,8319.74 h60
  text "PTH" at 9708.09,8319.74 h50
  text "ML" at 10138.09,8319.74 h50
  text "X" at 10288.09,8319.74 h60
  text "No. OFF" at 10408.09,8319.74 h50
  text "FINGER CONNECTOR DIM PER:" at 7408.09,8199.74 h60
  text "AS SHOWN" at 10408.09,8199.74 h50
  text "No. OFF TOTAL" at 8068.09,8089.74 h60
  text "ONE SIDE" at 9708.09,8089.74 h50
  text "BOTH SIDES" at 10408.09,8079.74 h50
  text "VIAS:" at 7408.09,7974.74 h60
  text "NONE" at 7858.09,7974.74 h45
  text "X" at 8188.09,7974.74 h60
  text "FEED THRU'" at 8308.09,7974.74 h45
  text "TENTED" at 9008.09,7974.74 h45
  text "BURIED LAYER SEQUENCE" at 9708.09,7974.74 h45
  text "UNIQUE DRILL" at 8308.09,7854.74 h45
  text "2 SIZE" at 9008.09,7854.74 h45
  text "BLIND LAYER SEQUENCE" at 9708.09,7854.74 h45
  text "Layer Stack Manager (Altium)" at 8803.09,7764.74 h50
  text "X" at 10288.09,7764.74 h60
  text "AS SHOWN" at 10408.09,7764.74 h50
  text "LAYER CONSTRUCTION PER:" at 7408.09,7759.74 h60
  text "Altium" at 10598.09,7659.74 h50
  text "(PFW)" at 11003.09,7654.74 h50
  text "ARTWORK:" at 7408.09,7649.74 h60
  text "MANUAL" at 8308.09,7649.74 h50
  text "DIGITISED" at 9008.09,7649.74 h50
  text "X" at 9588.09,7649.74 h60
  text "CAD" at 9708.09,7649.74 h50
  text "TYPE" at 10138.09,7649.74 h50
  text "ARTWORK/PATTERN MASTER LIST" at 7408.09,7464.74 h60
  text "DESCRIPTION" at 7458.09,7369.74 h50
  text "DRAWING No./CAD FILE REF." at 8193.09,7369.74 h50
  text "LAYER NAME" at 9818.09,7369.74 h50
  text "GERBER FILE REF" at 10635.1,7366.75 h50
  text "PCB FILE" at 7396.91,7272.73 h50
  text "CableNodeRevG" at 8198.92,7269.74 h50
  text "PcbDoc" at 9428.92,7269.74 h40
  text "Bottom Layer" at 9750.93,7172.73 h40
  text "CableNodeRevG" at 8198.92,7169.74 h50
  text "CableNodeRevG" at 10633.92,7169.74 h50
  text "GBL" at 11428.92,7169.74 h50
  text "GERBER FILE" at 7396.91,7167.73 h50
  text "GBO" at 11426.91,7071.75 h50
  text "Bottom Overlay" at 9750.93,7070.72 h40
  text "CableNodeRevG" at 10633.92,7069.74 h50
  text "GERBER FILE" at 7396.91,7067.73 h50
  text "CableNodeRevG" at 8198.17,7066.99 h50
  text "Bottom Paste Mask" at 9750.93,6974.74 h40
  text "CableNodeRevG" at 8198.92,6969.74 h50
  text "CableNodeRevG" at 10633.92,6969.74 h50
  text "GBP" at 11428.92,6969.74 h50
  text "GERBER FILE" at 7396.91,6967.73 h50
  text "Bottom Solder Mask" at 9748.99,6876 h40
  text "CableNodeRevG" at 8198.92,6869.74 h50
  text "CableNodeRevG" at 10640.83,6870 h50
  text "GBS" at 11428.92,6869.74 h50
  text "GERBER FILE" at 7396.91,6867.73 h50
  text "Drill Drawing" at 9750.93,6775.09 h40
  text "GD1" at 11428.92,6772.1 h50
  text "CableNodeRevG" at 8198.92,6769.74 h50
  text "CableNodeRevG" at 10633.92,6769.74 h50
  text "GERBER FILE" at 7396.91,6767.73 h50
  text "Mechanical Layer 11" at 9750.93,6677.1 h40
  text "GM11" at 11428.92,6672.1 h50
  text "CableNodeRevG" at 8198.92,6669.74 h50
  text "CableNodeRevG" at 10633.92,6669.74 h50
  text "GERBER FILE" at 7396.91,6667.73 h50
  text "Mechanical Layer 4" at 9750.93,6575.09 h40
  text "GM4" at 11428.92,6572.1 h50
  text "CableNodeRevG" at 8198.92,6569.74 h50
  text "GERBER FILE" at 7396.91,6567.73 h50
  text "CableNodeRevG" at 10633.42,6564.36 h50
  text "Internal Plane 1" at 9750.93,6477.1 h40
  text "GP1" at 11428.92,6472.1 h50
  text "CableNodeRevG" at 8198.92,6469.74 h50
  text "CableNodeRevG" at 10633.92,6469.74 h50
  text "GERBER FILE" at 7396.91,6467.73 h50
  text "Internal Plane 2" at 9750.93,6375.09 h40
  text "GP2" at 11428.92,6372.1 h50
  text "CableNodeRevG" at 8198.92,6369.74 h50
  text "CableNodeRevG" at 10633.92,6369.74 h50
  text "GERBER FILE" at 7396.91,6367.73 h50
  text "Bottom Pad Master" at 9750.93,6275.88 h40
  text "GBP" at 11428.92,6272.89 h50
  text "CableNodeRevG" at 8198.92,6269.74 h50
  text "CableNodeRevG" at 10633.92,6269.74 h50
  text "GERBER FILE" at 7396.91,6267.73 h50
  text "CableNodeRevG" at 10645.83,6175 h50
  text "Top Pad Master" at 9750.93,6170.88 h40
  text "CableNodeRevG" at 8198.92,6169.74 h50
  text "GTP" at 11426.91,6169 h50
  text "GERBER FILE" at 7398.09,6166 h50
  text "Top Layer" at 9750.93,6075.88 h40
  text "CableNodeRevG" at 8198.92,6069.74 h50
  text "CableNodeRevG" at 10633.92,6069.74 h50
  text "GTL" at 11426.91,6069 h50
  text "GERBER FILE" at 7400.09,6066 h50
  text "Top Overlay" at 9750.93,5970.72 h40
  text "CableNodeRevG" at 8198.92,5969.74 h50
  text "CableNodeRevG" at 10633.92,5969.74 h50
  text "GTO" at 11431,5969 h50
  text "GERBER FILE" at 7400.09,5966 h50
  text "Top Paste Mask" at 9750.93,5874.74 h40
  text "CableNodeRevG" at 8198.92,5869.74 h50
  text "CableNodeRevG" at 10633.92,5869.74 h50
  text "GTP" at 11426.91,5869 h50
  text "GERBER FILE" at 7400.09,5866 h50
  text "Top Solder Mask" at 9750.93,5776 h40
  text "CableNodeRevG" at 8198.92,5769.74 h50
  text "GTS" at 11426.91,5769 h50
  text "GERBER FILE" at 7400.09,5766 h50
  text "CableNodeRevG" at 10625.83,5760 h50
  text "Aperture List" at 9750.93,5676 h40
  text "CableNodeRevG" at 8198.92,5669.74 h50
  text "CableNodeRevG" at 10633.92,5669.74 h50
  text "APR" at 11426.91,5669 h50
  text "APERTURE LIST" at 7398.09,5666 h50
  text "Drill Report" at 9750.93,5576 h40
  text "CableNodeRevG" at 8198.92,5569.74 h50
  text "CableNodeRevG" at 10633.92,5569.74 h50
  text "DRR" at 11423,5569 h50
  text "DRILL REPORT" at 7400.09,5566 h50
  text "Excellon Drill Report" at 9748.99,5476 h40
  text "CableNodeRevG" at 8198.92,5469.74 h50
  text "CableNodeRevG" at 10633.92,5469.74 h50
  text "RUL" at 11423,5469 h50
  text "EXCELLON DRILL" at 7400.09,5466 h50
  text "CableNodeRevG" at 8198.92,5369.74 h50
  text "ReadMe" at 10721,5369 h50
  text "TXT" at 11420.92,5369 h50
  text "GENERAL INFO" at 7400.09,5366 h50
  text "Readme Text File" at 9750.93,5366 h40
  text "Mechanical Layer 2" at 9750,5280 h40
  text "CableNodeRevG" at 8198.92,5269.74 h50
  text "CableNodeRevG" at 10633.92,5269.74 h50
  text "GM2" at 11420,5270 h50
  text "GERBER FILE" at 7400,5260 h50
  text "MATERIAL:" at 7408.09,5059.74 h60
  text "GLASS FIBRE EPOXY RESIN NEMA GRADE FR4 (MIL-S-13949H)" at 8418.09,5049.74 h50
  text "X" at 8313.09,5044.74 h60
  text "Mechanical 11 Layer: File and PCB Ordering Information" at 3955,5000 h150
  text "THICKNESS:" at 7718.09,4934.74 h50
  text "0.031\"" at 8418.09,4934.74 h50
  text "0.062\"" at 9113.09,4934.74 h50
  text "0.093" at 9808.09,4934.74 h50
  text "0.125" at 10508.09,4934.74 h50
  text "X" at 9008.99,4926.74 h60
  text "TOLERANCE:" at 7713.09,4814.74 h50
  text "IN A/W IPC-D-300G CLASS" at 8408.09,4814.74 h50
  text "3 LEVEL B" at 9783.09,4814.74 h50
  text "OTHER +/-" at 10508.09,4814.74 h50
  text "X" at 8313.09,4809.74 h60
  text "BOW & TWIST:" at 7618.09,4694.74 h50
  text "IN A/W IPC-D-300G CLASS" at 8408.09,4694.74 h50
  text "3 LEVEL B" at 9783.09,4694.74 h50
  text "AS SHOWN" at 10513.09,4689.74 h50
  text "X" at 8313.09,4684.74 h60
  text "COPPER THICKNESS (FINISHED)" at 7713.09,4564.74 h50
  text "OUTER:" at 7903.09,4474.74 h50
  text "18um" at 8418.09,4474.74 h50
  text "35um" at 9483.09,4474.74 h50
  text "70um" at 10518.09,4474.74 h50
  text "X" at 9375.1,4466.75 h60
  text "INNER SIGNAL:" at 7573.09,4354.74 h50
  text "18um" at 8418.09,4354.74 h50
  text "35um" at 9483.09,4354.74 h50
  text "70um" at 10518.09,4354.74 h50
  text "X" at 9376.1,4345.75 h60
  text "INNER PWR:" at 7718.09,4234.74 h50
  text "18um" at 8418.09,4234.74 h50
  text "35um" at 9483.09,4234.74 h50
  text "70um" at 10518.09,4234.74 h50
  text "X" at 9375.1,4224.75 h60
  text "STRUCTURE:" at 7408.09,4114.74 h60
  text "REFER" at 8418.09,4114.74 h50
  text "AS PER DRAWING No." at 8413.09,3989.74 h50
  text "AS SHOWN" at 10513.09,3989.74 h50
  text "X" at 10413.09,3984.74 h60
  text "DRILLING:" at 7408.09,3879.74 h60
  text "VIEWED FROM:" at 7603.09,3789.74 h50
  text "COMPONENT SIDE" at 8418.09,3789.74 h45
  text "SOLDER SIDE" at 9473.09,3789.74 h45
  text "X" at 8313.09,3779.74 h60
  text "REFERENCE:" at 7693.09,3669.74 h50
  text "AS SHOWN" at 8413.09,3664.74 h45
  text "PATTERN MASTER LIST" at 9478.09,3664.74 h45
  text "X" at 10413.09,3664.74 h60
  text "NC_DRILL FILES" at 10513.09,3664.74 h45
  text "X" at 8313.09,3659.74 h60
  text "PTH MINIMUM COPPER THICKNESS:" at 7923.09,3549.74 h50
  text "20um" at 9483.09,3549.74 h50
  text "X" at 9378.09,3544.74 h60
  text "OTHER" at 10513.09,3544.74 h50
  text "NPTH:" at 7943.09,3429.74 h50
  text "TENTED" at 8413.09,3424.74 h45
  text "PADS REMOVED" at 9478.09,3424.74 h45
  text "REMOVE PADS" at 10513.09,3424.74 h45
  text "2nd DRILL" at 8413.09,3304.74 h45
  text "BOTH" at 9478.09,3304.74 h45
  text "AS SHOWN" at 9963.09,3304.74 h45
  text "NONE" at 10513.09,3304.74 h45
  text "BOARD FINISH:" at 7408.09,3189.74 h60
  text "X" at 8313.09,3184.74 h60
  text "ETCHING" at 8413.09,3184.74 h45
  text "REFER PATTERN MASTER LIST" at 9478.09,3184.74 h45
  text "LEGEND / SCREEN PRINT:" at 8208.09,3069.74 h50
  text "NONE" at 9478.09,3064.74 h45
  text "COMPONENT" at 9963.09,3064.74 h45
  text "SOLDER" at 10513.09,3064.74 h45
  text "X" at 9863.09,3059.74 h60
  text "X" at 10413.09,3059.74 h60
  text "COLOUR:" at 7823.09,2949.74 h50
  text "WHITE" at 8413.09,2944.74 h45
  text "YELLOW" at 9478.09,2944.74 h45
  text "OTHER" at 10513.09,2944.74 h45
  text "X" at 8313.09,2939.74 h60
  text "X" at 8313.09,2824.74 h60
  text "LIQUID PHOTOIMAGEABLE" at 8413.09,2824.74 h45
  text "SCREEN PRINT" at 9963.09,2824.74 h45
  text "MATTE" at 8413.09,2704.74 h45
  text "GLOSS" at 8913.09,2704.74 h45
  text "GREEN" at 9478.09,2704.74 h45
  text "BLUE" at 9963.09,2704.74 h45
  text "G/Y" at 10513.09,2704.74 h45
  text "OTHER" at 10963.09,2704.74 h45
  text "X" at 8808.09,2699.74 h60
  text "SOLDER MASK COLOUR:" at 7408.09,2589.74 h45
  text "X" at 8810,2590 h60
  text "BLACK" at 8413.09,2584.74 h45
  text "GREEN" at 8913.09,2584.74 h45
  text "YELLOW" at 9478.09,2584.74 h45
  text "BLUE" at 9963.09,2584.74 h45
  text "OTHER" at 10513.09,2584.74 h45
  text "TRACK FINISH:" at 7408.09,2469.74 h60
  text "SELECTIVE SOLDER (HASL)" at 8413.09,2464.74 h45
  text "REFLOW SOLDER" at 9963.09,2464.74 h45
  text "X" at 8310.14,2461.79 h60
  text "SELECTIVE GOLD" at 8413.09,2344.74 h45
  text "um  (AREA" at 9478.09,2344.74 h45
  text "sq. mm)" at 10573.09,2344.74 h45
  text "REFER PATTERN MASTER LIST" at 8413.09,2224.74 h45
  text "OTHER" at 9963.09,2224.74 h45
  text "EDGE BOARD" at 7408.09,2109.74 h60
  text "X" at 8308.99,2106 h60
  text "1.3um HARD GOLD OVER 5um     NICKEL / TIN-NICKEL" at 8413.09,2104.74 h45
  text "CONTACTS:" at 7408.09,2024.74 h60
  text "HARD FINISH GOLDE PLATE" at 8413.09,1984.74 h45
  text "OTHER" at 9963.09,1984.74 h45
  text "AS SHOWN" at 8413.09,1864.74 h45
  text "REFER" at 9963.09,1864.74 h45
  text "PROFILING:" at 7408.09,1744.74 h60
  text "AS DIMENSIONED, MEASURED AND CUT FROM SPECIFIED DATUM." at 8413.09,1744.74 h45
  text "X" at 8313.09,1739.74 h60
  text "REFER PCB BLANK DWG No." at 8418.09,1629.74 h50
  text "USE PROFILE / ROUTE TAPE SUPPLIED (REFER PATTERN MASTER LIST)" at 8418.09,1509.74 h50
  text "SQUARE CUT" at 8418.09,1389.74 h50
  text "N.C. ROUTE" at 9118.09,1389.74 h50
  text "V. SCORE" at 9818.09,1389.74 h50
  text "BLANK" at 10518.09,1389.74 h50
  text "ACCEPTABILITY:" at 7408.09,1284.74 h60
  text "MATERIALS AND WORKMANSHIP FOR ALL PRINTED WIRING BOARDS TO MEET" at 8283.09,1279.74 h50
  text "OR EXCEED THE REQUIREMENTS OF:" at 8283.09,1169.74 h50
  text "IPC-6011/12 AND IPC-A-600E" at 8423.09,1064.74 h50
  text "1" at 9823.09,1064.74 h50
  text "2" at 10173.09,1064.74 h50
  text "X" at 10068.09,1059.74 h60
  text "X" at 8318.09,1054.74 h60
  text "3" at 10523.09,979.74 h50
  text "UL CERTIFICATION" at 8423.09,944.74 h50
  text "AUSTEL" at 9823.09,944.74 h50
  text "X" at 8318.09,939.74 h60
  text "ML-P-55110F GRP" at 8403.09,824.74 h40
  text "A" at 9123.09,824.74 h50
  text "B" at 9473.09,824.74 h50
  text "AS2546" at 9823.09,824.74 h50
  text "OTHER" at 10523.09,824.74 h50
  text "ADDITIONAL" at 7408.09,709.74 h60
  text "NONE" at 8423.09,699.74 h50
  text "SAMPLE PLAN" at 9123.09,699.74 h50
  text "MIL-P-55110E SERIAL Nos. PER ORDER" at 9823.09,699.74 h50
  text "REQUIREMENTS:" at 7408.09,614.74 h60
  text "NONE" at 8423.09,579.74 h50
  text "ML-P-55110F GRP" at 9103.09,579.74 h40
  text "A" at 9823.09,579.74 h50
  text "B" at 10173.09,579.74 h50
  text "IPC CLASS:" at 10408.09,579.74 h50
  text "1" at 11018.09,579.74 h50
  text "2" at 11268.09,579.74 h50
  text "3" at 11518.09,579.74 h50
  text "QUALITY RELEASE REPORT" at 9123.09,459.74 h50
  text "OTHER" at 10718.09,459.74 h50
  text "PER ORDER" at 11053.09,454.74 h50
  text "X" at 10613.09,449.74 h60
  text "NONE" at 9123.09,339.74 h50
  text "REQUIRED" at 9823.09,339.74 h50
  text "PER ORDER" at 10723.09,339.74 h50
  text "ELECTRICAL TEST:" at 7408.09,334.74 h60
  text "X" at 9718.09,334.74 h60
  text "NONE" at 9123.09,219.74 h50
  text "1 SIDE" at 9818.09,219.74 h45
  text "2 SIDES" at 10258.09,219.74 h45
  text "MIN. PITCH" at 10718.09,219.74 h50
  text "0.65mm" at 11253.09,219.74 h50
  text "SURFACE MOUNT:" at 7408.09,214.74 h60
  text "X" at 10170.1,211.75 h60
  text "NONE" at 9123.09,99.74 h50
  text "FOIL" at 9823.09,99.74 h50
  text "LEGEND" at 10273.09,99.74 h50
  text "REFER" at 10718.09,99.74 h50
  text "MANUFACTURER'S ID/LOGO:" at 7408.09,94.74 h60
  text "ISO9001/AS3901" at 9273.09,-20.26 h50
  text "NONE" at 10718.09,-20.26 h50
  text "MANUFACTURER'S ACCREDITATION:" at 7408.09,-25.26 h60
  text "X" at 9168.09,-25.26 h60
  text "PER ORDER" at 9123.09,-140.26 h50
  text "REFER" at 9823.09,-140.26 h50
  text "PACKAGING AND HANDLING:" at 7408.09,-145.26 h60
  text "X" at 9018.09,-150.26 h60
Mechanical 13:
  lines w3.94: 3936.1,2199.88 3936.1,2310.12 4073.9,2310.12 4073.9,2199.88 3936.1,2199.88
Mechanical 15:
  lines w3.94: 3891.02,2160.51 3891.02,2349.49 4118.58,2349.49 4118.58,2160.51 3891.02,2160.51
Drill Drawing:
  text ".legend" at 12240,-200 h60

## Text inside footprints (layer, text, board x,y; h text height)
BATT1: Top Overlay "POS" at 2585.69,2746.35 h157.48; Top Overlay "+" at 3050,2720 h275.59; Top Overlay "NEG" at 535.69,2738.34 h157.48; Bottom Overlay "POS" at 2860.69,2751.45 h157.48; Bottom Overlay "+++" at 2879.12,2192.64 h196.85; Bottom Overlay "+" at 2489.39,2442.95 h275.59; Bottom Overlay "NEG" at 810.69,2738.34 h157.48; Bottom Overlay "- - -" at 796.52,2207.28 h196.85
CANADAFLAG1: Top Overlay "Made in Canada" at 489,1163 h93
CANADAFLAG2: Bottom Overlay "Made in Canada" at 926,1158 h93